# Altium PCB trussy.PcbDoc (part 3 of 3)
Units mil, origin at the board's own origin, x right, y up, seen from the top; angles counter-clockwise.
Board outline 3818.9 x 2234.25 mil, 6 copper layers (Top Layer, GND_TOP, Internal Signal 1, VCC, Internal Signal 2, Bottom Layer), stack 62.65 mil thick; 152 components, 165 nets, 758 pads, 452 vias.
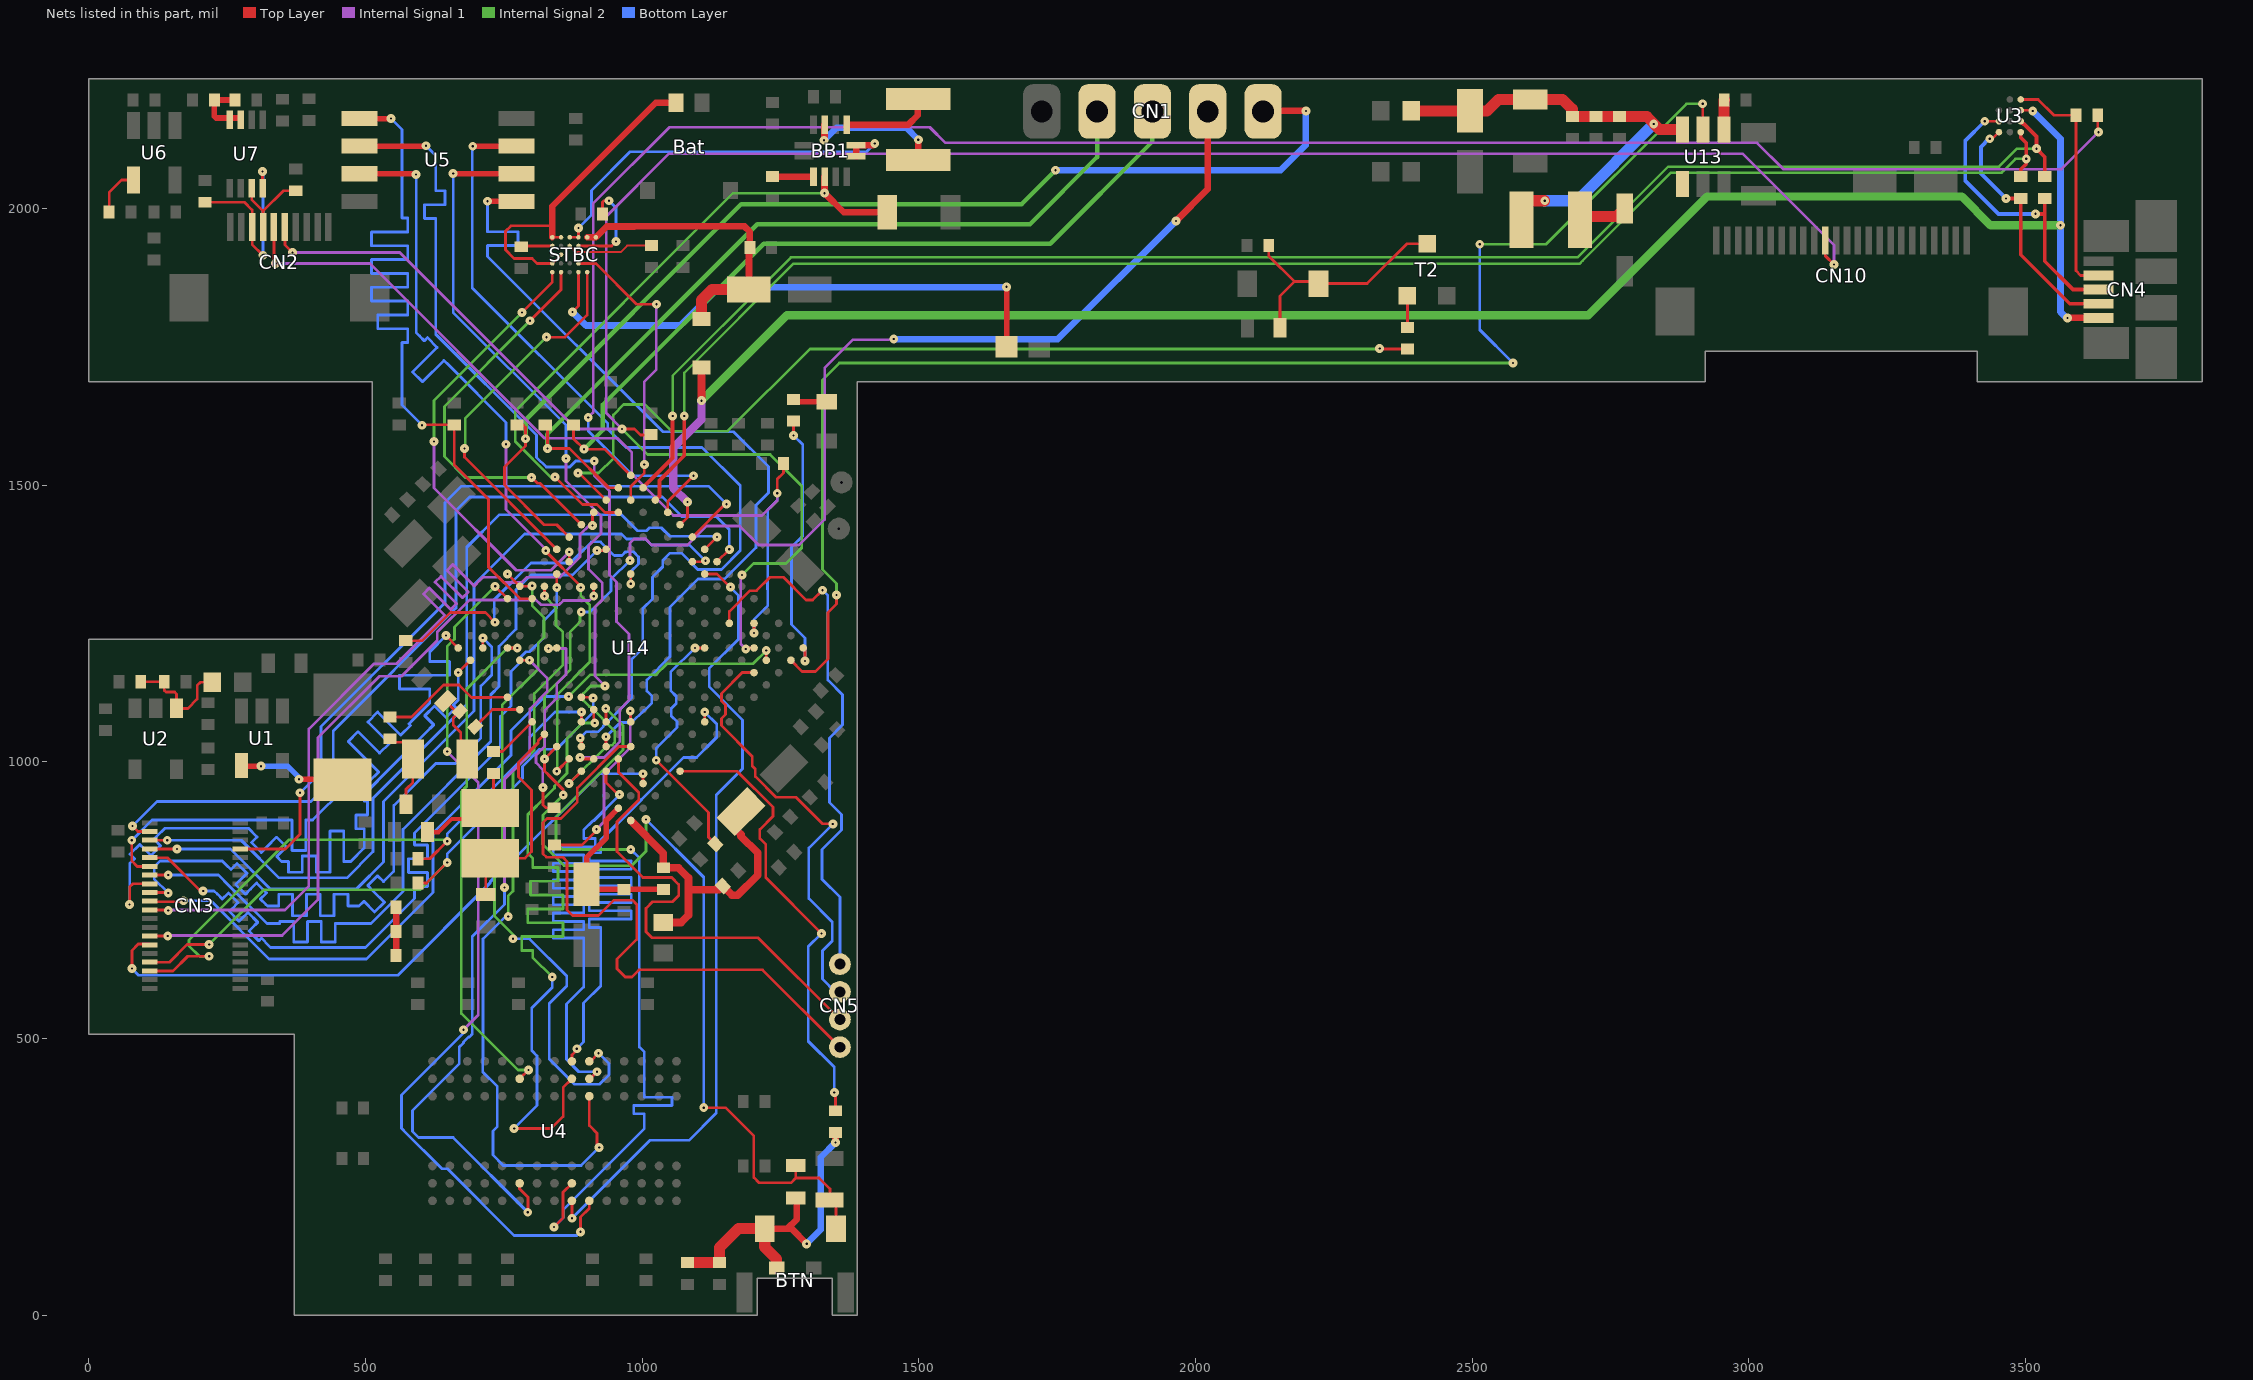
[diagram p7: the nets of this part, all layers, seen from the top]

## Via types
v1: diameter 16, hole 4, Top Layer to Bottom Layer, 452 vias

## Nets (pads, with @x,y where several pads share a name; then routed paths per layer and width w, separated by ;. In a path a pad name is that pad's centre, name@x,y a point inside that pad or via, vN(x,y) a via of type N, cw(c..) or ccw(c..) an arc to the next point about the centre after c; other vN are vias at no path point) (continued)
LCD_BL_CTRL: U13.5 U14.R14 | length 2664.5
  Top Layer w5: U14.R14@1268.85,1183.44 1288.91,1163.39 1312.99,1163.39 1335.63,1186.02 1335.63,1269.69 1351.38,1285.43 v1(1351.38,1301.18) v1@1351.38,1305.12 ; v1(2916.34,2188.98) 2916.34,2143.7 U13.5@2917.32,2142.72
  Internal Signal 2 w5: v1(1351.38,1301.18) 1351.38,1321.85 1325.79,1347.44 1325.79,1689.96 1356.3,1720.47 v1(2573.82,1720.47) ; v1(2513.53,1935.29) 2633.12,1935.29 2886.81,2188.98 v1(2916.34,2188.98)
  Bottom Layer w5: v1(2513.53,1935.29) 2513.53,1780.76 v1(2573.82,1720.47)
LCD_INT: CN2.5 R36.2 U14.M14 | length 1556.7
  Top Layer w5: CN2.5@334.65,1966.54 334.65,1903.54 v1(337.6,1900.59) ; v1(1202.04,1232.51) 1202.04,1240.51 U14.M14@1202.04,1250.25 ; v1(1244.16,1485.31) 1244.16,1510.89 1255.23,1521.96 R36.2@1255.23,1539.37
  Internal Signal 1 w5: v1(337.6,1900.59) 507.87,1900.59 823.82,1584.65 955.71,1584.65 981.3,1559.06 981.3,1519.95 1056.36,1444.88 1216.54,1444.88 1244.16,1472.5 v1(1244.16,1485.31)
  Bottom Layer w5: v1(1202.04,1232.51) 1202.04,1257.16 1227.11,1282.23 1227.11,1311 1226.63,1311.49 1226.63,1324.33 1227.11,1324.82 1227.11,1455.46 1244.16,1472.5 v1(1244.16,1485.31)
LCD_RST: CN2.6 CN10.11 R34.2 U14.N13 | length 4412.3
  Top Layer w5: CN2.6@354.33,1966.54 354.33,1934.06 v1(368.11,1920.28) ; v1(963.58,1601.38) 986.22,1601.38 997.05,1590.55 1015.07,1590.55 R34.2@1015.74,1591.23 ; v1(1187.07,1203.8) 1188.97,1205.71 U14.N13@1202.04,1205.71 ; CN10.11@3137.79,1941.93 3137.79,1914.37 v1(3153.54,1898.62)
  Internal Signal 1 w5: v1(368.11,1920.28) 562.01,1920.28 880.91,1601.38 v1(963.58,1601.38) 935.04,1629.92 935.04,1985.13 1048.77,2098.86 2988.63,2098.86 3153.54,1933.95 v1(3153.54,1898.62) ; v1(1180.38,1337.34) 1178.21,1335.16 1178.21,1212.66 v1(1187.07,1203.8)
  Internal Signal 2 w5: v1(963.58,1601.38) 1009.84,1555.12 1231.3,1555.12 1288.39,1498.03 1288.39,1386.81 1259.84,1358.27 1201.31,1358.27 v1(1180.38,1337.34)
LED1: R2.1 U14.R15 | length 484
  Top Layer w5: v1(1273.62,1589.57) R2.1@1273.63,1615.47 ; U14.R15@1291.13,1205.71 1294.29,1202.54 v1(1294.29,1182.09)
  Bottom Layer w5: v1(1273.62,1589.57) 1290.35,1572.83 1290.35,1408.46 1269.69,1387.8 1269.69,1248.03 1294.29,1223.43 v1(1294.29,1182.09)
MICROAB_N: R160.2 U3.D3 U14.C15 | length 2925.3
  Top Layer w7: U14.C15@1023.87,1472.96 1031.22,1480.31 1031.22,1508.34 1076.12,1553.24 v1(1076.12,1625) ; R160.2@3491.15,2057.4 3491.15,2070.74 3500.98,2080.58 v1(3500.98,2089.57) 3500.98,2118.51 3491.14,2128.35 U3.D3@3491.14,2137.8
  Internal Signal 2 w4.5: v1(1076.12,1625) 1076.12,1703.09 1273.45,1900.42 2694.52,1900.42 2699.61,1905.51 2858.79,2064.69 3456.42,2064.69 3459.65,2067.91 3481.3,2089.57 v1(3500.98,2089.57)
MICROAB_P: R159.2 U3.C3 U14.B15 | length 2977.2
  Top Layer w7: U14.B15@1001.6,1495.23 1008.95,1502.58 1008.95,1503.04 1055.12,1549.21 v1(1055.12,1625) ; U3.C3@3491.14,2157.48 3496.38,2152.24 3497.13,2152.24 3519.37,2130 v1(3519.37,2107.95) 3534.45,2092.87 R159.2@3534.45,2057.4
  Internal Signal 2 w4.5: v1(1055.12,1625) 1055.12,1697.64 1232.48,1875 1268.89,1911.42 2689.96,1911.42 2854.24,2075.69 3451.87,2075.69 3484.13,2107.95 v1(3519.37,2107.95)
NetBAT_1: Bat.1 STBC.A2 STBC.A5 STBC.B3 STBC.B5 | length 612
  Top Layer w4: STBC.A2@837.6,1900.59 STBC.B3@853.35,1916.34
  Top Layer w5: STBC.A2@837.6,1900.59 810.04,1900.59 801.18,1909.45 768.7,1909.45 752.95,1925.2 752.95,1958.66 762.8,1968.5 837.6,1968.5 ; STBC.A5@837.6,1947.83 STBC.B5@853.35,1947.83
  Top Layer w12: STBC.A5@837.6,1947.83 837.6,1968.5 837.6,2003.94 1024.49,2190.83 Bat.1@1061.02,2190.83
NetBB1_1: BB1.1 L6.2 | length 165.4
  Top Layer w12: BB1.1@1369.57,2151.33 1481.06,2151.33 1498.03,2168.31 1498.03,2196.85 L6.2@1499.02,2197.83
NetBB1_3: BB1.3 L6.1 | length 253.7
  Top Layer w12: v1(1328.74,2123.03) 1329.57,2123.86 BB1.3@1329.57,2151.33 ; L6.1@1499.02,2087.6 v1(1499.02,2124.02)
  Bottom Layer w12: v1(1328.74,2123.03) 1351.38,2145.67 1477.36,2145.67 v1(1499.02,2124.02)
NetBB1_7: BB1.7 C1.1 | length 74.4
  Top Layer w12: C1.1@1235.24,2057.46 1309.44,2057.46 BB1.7@1309.57,2057.33
NetBB1_11: BB1.11 BB1.12 STBC.C5 STBC.D5 | length 711.9
  Top Layer w5: STBC.C5@869.09,1947.83 STBC.D5@884.84,1947.83 v1(884.84,1964.57)
  Top Layer w12: BB1.11@1386.57,2094.33 BB1.12@1386.57,2114.33 1417.48,2114.33 v1(1420.28,2117.13)
  Bottom Layer w5: v1(884.84,1964.57) 908.46,1988.19 908.46,2032.48 978.35,2102.36 1405.51,2102.36 v1(1420.28,2117.13)
NetBTN_1: BTN.1 D2.1 R8.1 R10.1 R18.1 R19.1 | length 619.1
  Top Layer w12: D2.1@1236.22,156.5 1262.8,156.5 ; R18.1@1277.56,211.61 1279.53,209.65 1279.53,173.23 1262.8,156.5 ; v1(1297.24,128.94) 1269.68,156.5 1262.8,156.5 ; R8.1@1349.41,330.03 1349.41,312.08 v1(1349.48,312.02)
  Top Layer w20: R19.1@1081.69,95.16 1139.45,95.16 1139.76,95.47 1139.76,122.05 1174.21,156.5 D2.1@1221.46,156.5 1221.46,123.03 1243.11,101.38 BTN.1@1243.11,85.16
  Bottom Layer w12: v1(1297.24,128.94) 1322.83,154.53 1322.83,285.38 v1(1349.48,312.02)
NetC3_1: C3.1 R6.1 R7.2 | length 87.6
  Top Layer w12: R6.1@555.43,649.6 C3.1@555.43,693.4 R7.2@555.43,737.2
NetC9_2: C9.2 U6.4 | length 88.9
  Top Layer w5: C9.2@36.79,1993.11 36.79,2028.91 59.05,2051.18 U6.4@80.71,2051.18
NetC10_2: C10.2 R11.1 U7.7 U7.8 | length 116.5
  Top Layer w10: R11.1@264.09,2195.86 C10.2@226.99,2195.87 226.99,2166.71 230.31,2163.39 271.65,2163.39 U7.7@274.61,2160.43
NetC14_1: C14.1 D1.1 T2.3 VM.2 | length 449.3
  Top Layer w5: C14.1@2132.26,1933.07 2132.26,1914 2178.64,1867.62 2152.56,1841.54 VM.2@2152.56,1784.45 ; 2179.13,1868.11 2218.5,1868.11 D1.1@2222.44,1864.17 2310.04,1864.17 2381.97,1936.1 T2.3@2418.31,1936.1 T2.3@2418.23,1936.02
NetC21_1: C21.1 C22.1 L7.1 U2.1 | length 207.9
  Top Layer w5: C22.1@93.87,1144.69 C21.1@136.44,1144.69 136.44,1129.31 139.76,1125.98 155.14,1125.98 158.46,1122.66 U2.1@158.46,1096.46 179.13,1096.46 195.87,1113.19 195.87,1137.8 201.77,1143.7 L7.1@223.43,1143.7
NetC76_1: C76.1 U14.L11 | length 462.1
  Top Layer w5: v1(1025.32,1002.89) 1120.08,908.13 1120.08,863.71 C76.1@1132.15,851.64 ; v1(1095.21,1205.71) 1103.21,1205.71 U14.L11@1112.96,1205.71
  Bottom Layer w5: v1(1025.32,1002.89) 1025.32,1024.11 1062.99,1061.78 1062.99,1072.63 1052.56,1083.06 1052.56,1096.6 1061.64,1105.68 1061.64,1118.52 1051.48,1128.68 1051.48,1161.98 v1(1095.21,1205.71)
NetC85_1: C85.1 R131.2 X2.2 | length 196.7
  Top Layer w5: X2.2@725.39,916.34 731.29,922.24 R131.2@731.29,979.02
  Top Layer w8: C85.1@611.71,873.04 631.9,873.04 655.51,896.65 705.71,896.65 X2.2@725.39,916.34
NetC93_1: C93.1 R132.1 X3.1 | length 156
  Top Layer w5: R132.1@544.3,1041.65 550.51,1035.43 576.77,1035.43 585.63,1026.58 X3.1@585.63,1004.92 585.63,962.6 573.33,950.29 C93.1@573.33,923.22
NetC94_1: C94.1 R133.1 X3.2 | length 152.4
  Top Layer w5: C94.1@644.34,1109.6 662.63,1091.31 R133.1@670.49,1091.31 658.46,1079.29 658.46,1066.93 672.24,1053.15 672.24,1040.35 684.06,1028.54 X3.2@684.06,1004.92 X3.2@672.24,1016.73
NetC96_1: C96.1 U14.E11 | length 624.8
  Top Layer w5: C96.1@572.83,1218.87 602.73,1218.87 653.54,1269.69 716.63,1269.69 v1(734.29,1252.03) ; v1(979.33,1321.59) U14.E11@979.33,1339.34
  Bottom Layer w5: v1(734.29,1252.03) 732.78,1253.54 732.78,1292.82 799.21,1359.25 870.26,1359.25 874.51,1363.5 874.57,1363.5 883.65,1372.58 883.65,1372.65 908.46,1397.46 924.77,1397.46 949.2,1373.03 950.51,1373.03 950.64,1372.9 963.48,1372.9 970.06,1379.49 970.76,1378.79 971.47,1379.49 984.31,1379.49 993.39,1370.41 993.39,1357.57 979.33,1343.51 v1(979.33,1321.59)
NetCN1_1: CN1.1 R3.1 U14.A10 | length 2083.7
  Top Layer w5: R3.1@773.63,1608.94 784.76,1608.94 789.37,1604.33 v1(789.37,1583.66) 789.37,1570.87 750.98,1532.48 750.98,1500 822.56,1428.42 845.7,1428.42 U14.A10@867.97,1406.15
  Top Layer w12: CN1.1@2122.05,2175.2 2123.03,2176.18 v1(2199.8,2176.18)
  Internal Signal 2 w8: v1(789.37,1583.66) 789.37,1618.11 1179.13,2007.87 1686.02,2007.87 v1(1747.05,2068.9)
  Bottom Layer w12: v1(1747.05,2068.9) 2153.54,2068.9 2198.82,2114.17 2198.82,2175.2 v1(2199.8,2176.18)
NetCN4_2: CN4.2 R160.1 U3.D1 | length 464.4
  Top Layer w5: v1(3435.04,2125.98) 3439.96,2125.98 U3.D1@3451.77,2137.8 U3.D1@3452.08,2137.49
  Top Layer w6.59: CN4.2@3629.53,1825.79 CN4.2@3631.5,1827.76
  Top Layer w7: v1(3464.57,2017.72) 3464.88,2018.03 R160.1@3491.15,2018.03 ; R160.1@3491.15,2018.03 3491.14,1916.34 3579.72,1827.76 CN4.2@3631.5,1827.76
  Bottom Layer w7: v1(3435.04,2125.98) 3434.06,2125.98 3419.29,2111.22 3419.29,2062.99 v1(3464.57,2017.72)
NetCN4_3: CN4.3 R159.1 U3.C1 | length 547.9
  Top Layer w5: v1(3426.18,2157.48) U3.C1@3451.77,2157.48
  Top Layer w7: v1(3517.72,1990.16) 3534.45,1990.16 ; R159.1@3534.45,2018.03 3534.45,1990.16 ; CN4.3@3631.5,1853.35 3585.63,1853.35 3534.45,1904.52 3534.45,1990.16
  Bottom Layer w7: v1(3426.18,2157.48) 3390.75,2122.05 3390.75,2050.2 3450.79,1990.16 v1(3517.72,1990.16)
NetCN4_4: CN4.4 R161.1 U3.A3 | length 437.9
  Top Layer w5: U3.A3@3491.14,2196.85 3522.64,2196.85 3551.19,2168.3 R161.1@3590.86,2168.3 3590.86,1887.49 3599.41,1878.94 CN4.4@3631.5,1878.94
  Top Layer w8: CN4.4@3630.51,1879.92 CN4.4@3631.5,1878.94
NetL3_1: L3.1 U1.4 | length 199.5
  Top Layer w10: U1.4@275.59,993.11 276.57,992.13 v1(311.02,992.13) ; v1(379.92,968.5) 447.83,968.5 453.74,962.6 L3.1@458.66,967.52
  Bottom Layer w10: v1(311.02,992.13) 359.25,992.13 379.92,971.46 v1(379.92,968.5)
NetL4_2: L4.2 U13.1 Z1.1 | length 89.2
  Top Layer w20: L4.2@2694.88,1979.33 2700.79,1985.24 2760.94,1985.24 Z1.1@2775.59,1999.89
NetLD1_2: LD1.2 R2.2 | length 61.8
  Top Layer w10: R2.2@1273.63,1654.84 1277.87,1650.59 LD1.2@1333.66,1650.59
NetR8_2: R8.2 U14.R5 | length 835.3
  Top Layer w5: U14.R5@1068.42,983 1171.68,983 1236.22,918.45 1236.22,901.57 1212.6,877.95 1212.6,861.22 1223.43,850.39 1223.43,790.45 v1(1323.92,689.96) ; v1(1347.26,402.38) 1349.41,400.22 R8.2@1349.41,369.4 R8.2@1353.35,373.34
  Bottom Layer w5: v1(1323.92,689.96) 1300.2,666.24 1300.2,495.08 1347.26,448.02 v1(1347.26,402.38)
NetR31_1: R31.1 T2.1 | length 57.2
  Top Layer w5: R31.1@2382.87,1785.12 T2.1@2382.87,1842.36
NetR58_2: R58.2 U13.4 | length 53.4
  Top Layer w20: U13.4@2954.72,2142.72 2954.72,2195.2 R58.2@2955.4,2195.87
NetR122_2: R122.2 U14.L5 | length 347.4
  Top Layer w5: R122.2@841.54,849.72 891.06,849.72 917.32,875.98 v1(917.32,877.95) ; v1(978.35,1091.54) 978.35,1082.81 979.33,1081.83 U14.L5@979.33,1072.08
  Internal Signal 1 w5: v1(917.32,877.95) 931.1,891.73 931.1,977.36 978.35,1024.61 v1(978.35,1091.54)
NetR149_1: R149.1 U14.E5 | length 378.9
  Top Layer w5: v1(820.87,953.74) 820.87,922.24 826.1,917.01 R149.1@840.55,917.01 ; v1(830.75,1204.78) 844.78,1204.78 U14.E5@845.7,1205.71
  Internal Signal 1 w5: v1(820.87,953.74) 820.2,954.4 820.2,986.16 807.93,998.44 807.93,1011.69 819.27,1023.02 823.82,1027.58 823.82,1092.52 845.47,1114.17 845.47,1140.75 862.15,1157.42 862.15,1204.78 v1(830.75,1204.78)
NetR161_2: R161.2 U14.D15 | length 3591.7
  Top Layer w5: U14.D15@1046.14,1450.69 1046.14,1470.38 v1(1092.57,1516.81) ; R161.2@3630.23,2168.3 3630.23,2139.45 v1(3631.89,2137.8)
  Internal Signal 1 w5: v1(902.56,1622.05) 911.42,1630.91 911.42,2008.86 1049.21,2146.65 1519.69,2146.65 1547.85,2118.48 3014.39,2118.48 3062.01,2070.87 3564.96,2070.87 v1(3631.89,2137.8)
  Bottom Layer w5: v1(902.56,1622.05) 902.56,1597.44 983.19,1516.81 v1(1092.57,1516.81)
NetRdiv1_2: Rdiv1.2 STBC.C4 | length 157.1
  Top Layer w4: STBC.C4@869.09,1932.09 869.15,1932.09 880.25,1920.99 961.35,1920.99 973.12,1932.76 Rdiv1.2@1016.74,1932.76
NetRpre_2: Rpre.2 STBC.D4 | length 184
  Top Layer w5: STBC.D4@884.84,1932.09 944.88,1932.09 v1(952.76,1939.96) ; Rpre.2@928.46,1990.15 928.46,2011.14 931.2,2013.88 v1(940.01,2013.88)
  Bottom Layer w5: v1(940.01,2013.88) 952.76,2001.13 v1(952.76,1939.96)
NetRset_1: Rset.1 STBC.A4 | length 56.6
  Top Layer w5: Rset.1@781.49,1930.79 782.79,1932.09 STBC.A4@837.6,1932.09
NetSTBC_D1: STBC.D1 TH.1 | length 1007.8
  Top Layer w5: v1(874.02,1812.99) 884.84,1823.82 STBC.D1@884.84,1884.84
  Top Layer w10: TH.1@1658.46,1750 v1(1658.46,1858.27)
  Bottom Layer w12: v1(874.02,1812.99) 898.62,1788.39 1068.9,1788.39 1137.8,1857.28 v1@1658.46,1857.28
NetU4_J1: U4.J1 U14.H14 | length 1450.9
  Top Layer w5: v1(873.03,175.2) U4.J1@873.03,206.69 ; U14.H14@1112.96,1339.34 1135.19,1339.34 1158.52,1316.01 v1(1159.51,1316.01)
  Bottom Layer w5: v1(873.03,175.2) 1013.78,315.94 1084.65,315.94 1133.86,365.16 1133.86,939.96 1181.41,987.51 1181.41,1075.48 1121.06,1135.83 1121.06,1168.31 1174.21,1221.46 1174.21,1300.32 1159.51,1315.02 v1(1159.51,1316.01)
NRST: C4.2 CN1.2 D2.2 R18.2 U14.J1 | length 3600.7
  Top Layer w5: U14.J1@845.7,1027.54 v1(823.43,1005.27) 823.43,983.65 830.2,976.88 830.2,976.58 857.33,949.46 v1(857.33,940.01) ; v1(1111.22,375) 1150.59,375 1201.77,323.82 1201.77,249.02 1211.61,239.17 1268.7,239.17 1277.56,248.03 ; R18.2@1277.56,270.67 1277.56,248.03 ; D2.2@1350.46,156.5 1350.46,196.4 C4.2@1338.56,208.3 1339.57,209.3 1339.57,228.35 1319.88,248.03 1277.56,248.03
  Top Layer w12: v1(1964.57,1977.36) 2022.05,2034.84 CN1.2@2022.05,2175.2
  Internal Signal 1 w5: v1(977.89,1363.99) 977.89,1395.21 985.06,1402.38 1006.47,1402.38 1017.12,1391.73 1081.69,1391.73 1116.14,1426.18 1176.18,1426.18 1210.63,1391.73 1283.46,1391.73 1329.72,1437.99 1329.72,1711.61 1380.91,1762.8 v1@1452.76,1762.8
  Internal Signal 2 w5: v1(823.43,1005.27) 823.43,1119.69 870.22,1166.48 870.22,1235.1 887.8,1252.68 887.8,1268.72 v1(889.81,1270.73) ; v1(857.33,940.01) 820.87,903.55 820.87,850.39 852.11,819.15 857.97,813.3 859.25,812.01 980.31,812.01 1006.73,838.43 1006.73,895.51 v1(1006.94,895.71) v1@1003.89,895.71
  Bottom Layer w5: v1(889.81,1270.73) 905.85,1270.73 943.9,1308.78 943.9,1330 v1(977.89,1363.99) ; v1(1006.94,895.71) 1111.22,791.43 v1(1111.22,375)
  Bottom Layer w12: v1(1454.72,1763.78) 1750.98,1763.78 v1(1964.57,1977.36)
PB6: R55.1 U5.1 U14.B6 | length 1600.7
  Top Layer w5: v1(602.36,1608.27) 603.04,1608.94 R55.1@660.44,1608.94 660.44,1536.41 722.44,1474.41 722.44,1351.59 779.24,1294.79 U14.B6@801.16,1294.79
  Top Layer w10: U5.1@489.17,2162.6 489.37,2162.4 v1(546.26,2162.4)
  Bottom Layer w5: v1(546.26,2162.4) 565.94,2142.72 565.94,1995.08 565.94,1982.58 576.54,1982.58 576.54,1957.58 565.94,1957.58 511.04,1957.58 511.04,1932.58 565.94,1932.58 576.54,1932.58 576.54,1907.58 565.94,1907.58 511.04,1907.58 511.04,1882.58 565.94,1882.58 576.54,1882.58 576.54,1857.58 565.94,1857.58 511.04,1857.58 511.04,1832.58 565.94,1832.58 576.54,1832.58 576.54,1807.58 565.94,1807.58 522.35,1807.58 522.35,1782.58 565.94,1782.58 576.54,1782.58 576.54,1757.58 565.94,1757.58 565.94,1736.22 565.94,1644.69 v1(602.36,1608.27)
PC0: U4.K8 U14.M2 | length 1357.1
  Top Layer w5: U4.K8@904.53,427.17 905.51,427.17 v1(918.31,439.96) ; U14.M2@934.79,983 934.79,962.65 956.6,940.84 v1(959.04,940.84)
  Bottom Layer w5: 863.17,524.09 863.17,536.93 ; 863.19,524.07 863.19,462.24 885.46,439.96 v1(918.31,439.96) ; 863.19,536.95 863.19,562.01 894.22,593.04 894.22,679.13 894.22,681.59 839.32,681.59 839.32,696.59 894.22,696.59 894.22,711.59 839.32,711.59 839.32,726.59 894.22,726.59 894.22,741.59 839.32,741.59 839.32,756.59 894.22,756.59 894.22,771.59 839.32,771.59 839.32,786.59 894.22,786.59 894.22,801.59 839.32,801.59 839.32,816.59 894.22,816.59 894.22,831.59 839.32,831.59 839.32,846.59 894.22,846.59 915.2,846.59 915.2,861.59 894.22,861.59 894.22,869.09 894.22,876.77 910.9,893.45 912.41,893.45 959.04,940.08 v1(959.04,940.84)
PC14: R132.2 U14.E1 | length 245.8
  Top Layer w5: R132.2@544.3,1081.02 582.99,1081.02 640.75,1138.78 669.29,1138.78 691.93,1116.14 725.89,1116.14 726.38,1116.63 U14.E1@756.62,1116.63
PC15: R133.2 U14.F1 | length 93.4
  Top Layer w5: R133.2@698.33,1063.47 729.21,1094.35 U14.F1@778.89,1094.35
PCLK: CN3.11 U14.P3 | length 1168.3
  Top Layer w5: v1(77.96,626.5) 77.96,659.05 89.42,670.51 108.82,670.51 CN3.11@110.04,669.29 ; U14.P3@1001.6,960.73 1001.6,970.47 v1(1001.6,978.47)
  Bottom Layer w5: v1(77.96,626.5) 90.28,614.17 558.27,614.17 725.52,781.43 725.52,783.24 740.46,798.18 742.27,798.18 922.56,978.47 v1(1001.6,978.47)
PE0: U4.K9 U14.A6 | length 1243.5
  Top Layer w5: v1(756.62,1339.34) U14.A6@778.89,1317.06 800.31,1317.06 v1(801.22,1317.98) ; U4.K9@904.53,458.66 906.5,458.66 v1(921.26,473.43)
  Internal Signal 2 w5: v1(766.73,680.12) 766.73,687.99 733.27,721.46 733.27,790.35 747.05,804.13 747.05,1102.36 812.14,1167.45 812.14,1189.86 812.01,1189.99 812.01,1214.32 822.83,1225.15 822.83,1260.83 801.22,1282.44 v1(801.22,1317.98)
  Bottom Layer w5: v1(766.73,680.12) 796.26,680.12 863.71,612.67 863.71,594.64 831.91,562.84 831.91,463.37 877.95,417.32 923.23,417.32 939.96,434.06 939.96,454.72 v1(921.26,473.43)
PE1: U4.K1 U14.A5 | length 1599.4
  Top Layer w5: v1(734.35,1317.07) U14.A5@756.62,1294.79 ; v1(888.78,150.59) 888.78,177.43 904.53,193.18 U4.K1@904.53,206.69
  Internal Signal 1 w5: v1(647.64,1018.7) 703.74,962.6 703.74,542.32 v1(677.2,515.77)
  Internal Signal 2 w5: v1(647.64,1018.7) 647.64,1208.44 660.76,1221.56 660.76,1243.48 v1(734.35,1317.07)
  Bottom Layer w5: v1(677.2,515.77) 680.12,512.85 564.96,397.7 564.96,337.86 568.65,334.18 568.65,333.91 638.03,264.53 648.14,264.53 768.72,143.95 882.14,143.95 v1(888.78,150.59)
PF6: U5.7 U14.K2 | length 1674.2
  Top Layer w5: v1(888.01,1043.05) 888.01,1039.52 890.25,1037.28 U14.K2@890.25,1027.54
  Top Layer w10: v1(693.9,2112.2) 694.29,2112.6 U5.7@772.64,2112.6
  Bottom Layer w5: v1(693.9,2112.2) 692.91,2111.22 692.91,1856.3 937.99,1611.22 937.99,1600.89 970.96,1567.91 1108.27,1567.91 1177.17,1499.02 1177.17,1381.62 1143.23,1347.69 1100.41,1347.69 1071.12,1376.98 1050.21,1376.98 1037.2,1363.98 1037.2,1352.45 1018.45,1333.69 1018.45,1294.25 1000.98,1276.78 1000.98,1205.71 981.3,1186.02 981.3,1116.41 929.87,1064.98 929.87,1063.46 920.79,1054.38 899.35,1054.38 v1(888.01,1043.05)
PF7: U5.3 U14.K1 | length 1496.2
  Top Layer w5: v1(825.81,1381.5) 825.81,1380.44 888.82,1317.43 v1(888.82,1315.02) ; v1(845.7,983) U14.K1@867.98,1005.27
  Top Layer w10: U5.3@489.17,2062.6 589.96,2062.6 v1(591.54,2061.02)
  Internal Signal 1 w5: v1(753.94,1573.82) 753.94,1455.71 828.15,1381.5 v1(825.81,1381.5)
  Internal Signal 2 w5: v1(845.7,983) 846.69,983.99 846.69,1121.74 905.31,1180.35 905.31,1283.67 888.82,1300.15 v1(888.82,1315.02)
  Bottom Layer w5: v1(591.54,2061.02) 591.54,1775.59 597.44,1769.69 606.28,1760.85 611.91,1766.48 629.59,1748.8 623.96,1743.17 585.13,1704.35 602.81,1686.67 641.64,1725.49 650.59,1716.54 753.94,1613.19 v1(753.94,1573.82)
PF8: U5.5 U14.L3 | length 1603.1
  Top Layer w5: U14.L3@934.79,1027.54 934.79,1037.28 v1(934.79,1045.28)
  Top Layer w10: v1(720.47,2012.8) 772.44,2012.8 U5.5@772.64,2012.6
  Bottom Layer w5: v1(720.47,2012.8) 720.47,1970.47 720.47,1957.97 775.38,1957.97 775.38,1932.97 720.47,1932.97 720.47,1921.26 720.47,1913.39 1037.4,1596.46 1165.35,1596.46 1228.35,1533.46 1228.35,1486.22 1205.71,1463.58 1205.71,1386.9 1148.99,1330.18 1115.08,1330.18 1114.74,1330.52 1101.19,1330.52 1050.2,1279.53 1050.2,1189.96 1008.37,1148.14 1008.37,1127.95 1017.47,1118.85 1017.47,1107.3 1017.1,1106.94 1017.1,1105.68 1004.21,1092.79 1002.95,1092.79 981.03,1070.87 960.37,1070.87 v1(934.79,1045.28)